# KiCad board HPPSI02.kicad_pcb (continued)
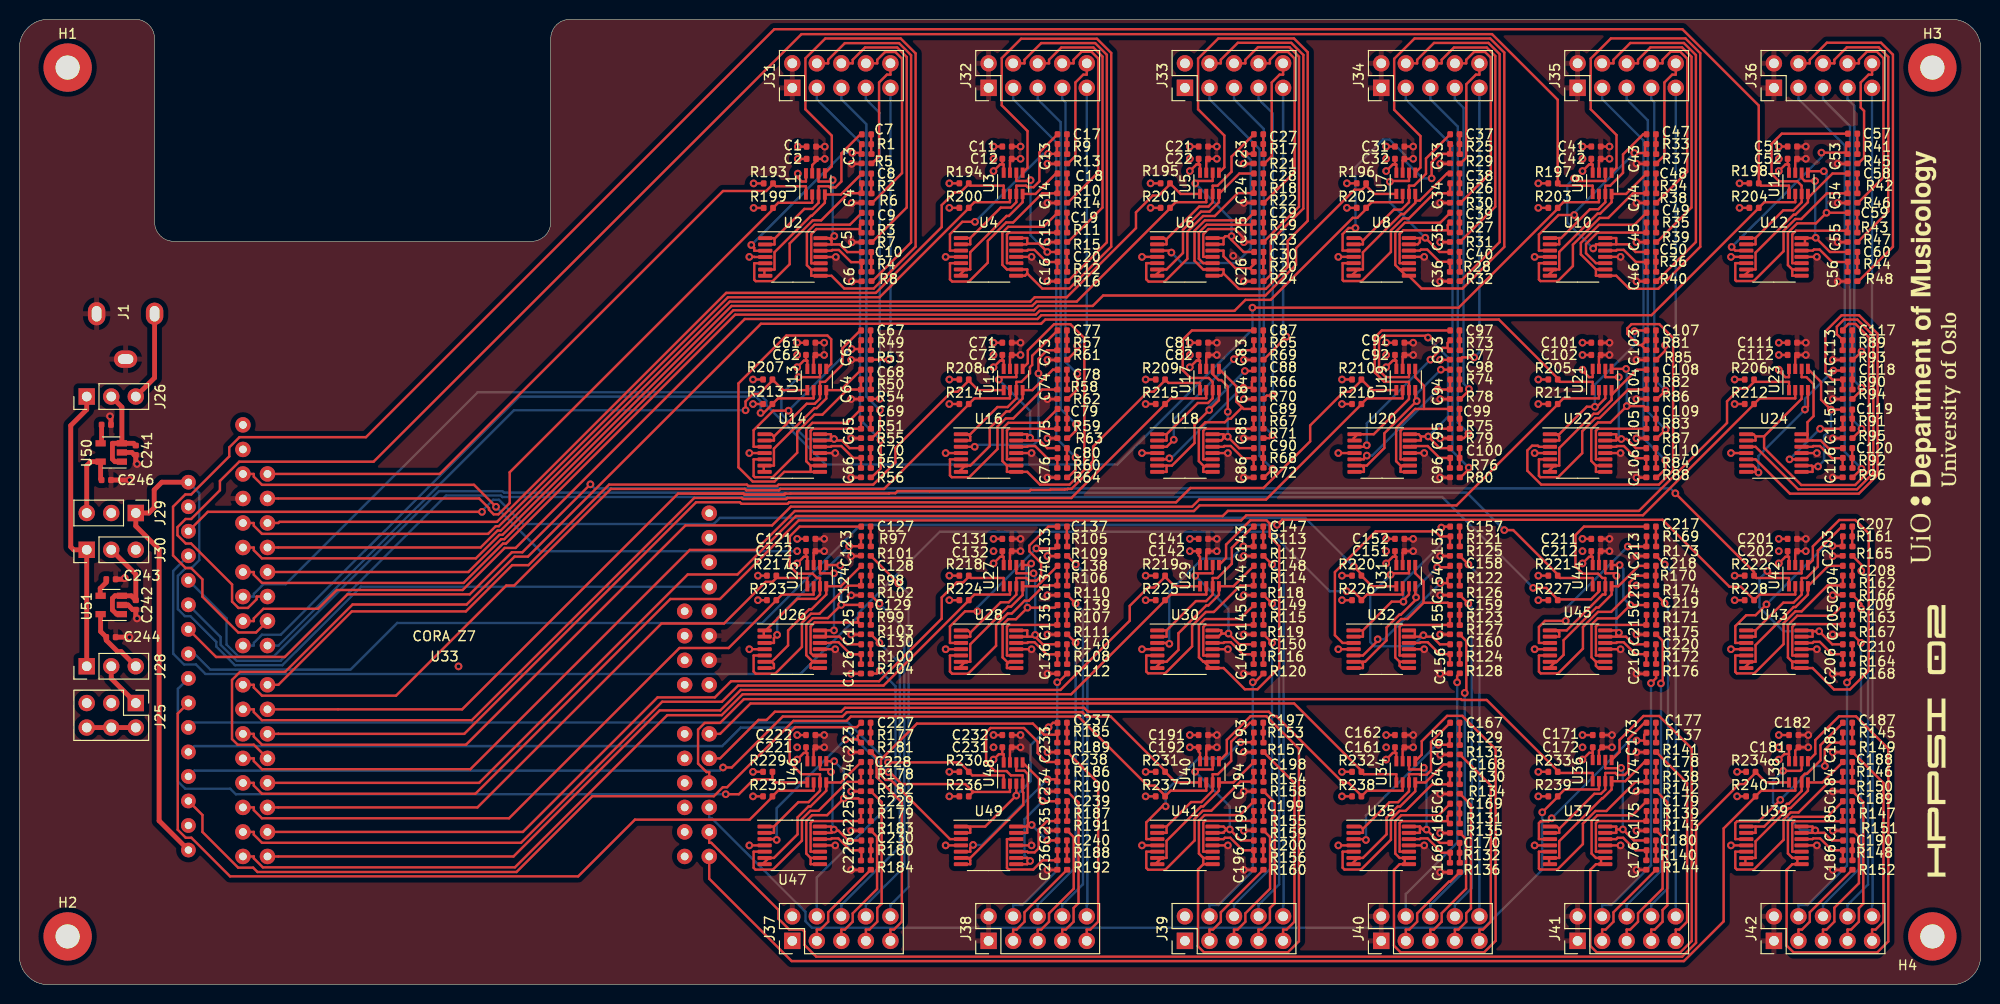
[diagram p0: board, top side]
## Routing (per net, layer and track width the routed paths; a pad name or vN(x,y) marks a point on that pad's centre or on a via; arc(x,y) is an arc through that point) (continued)
Net-(C50-Pad2): length 2.1
  Top w0.25: R40.2 169.38,73.87 169.38,75.9
Net-(C53-Pad1): length 18.9
  Top w0.25: 189.07,86.19 C53.1 ; 189.07,86.19 189.07,86.86 R41.2 ; 189.07,86.19 v1(186.52,86.19) ; v1(177.22,76.42) 177.6,76.04 178.65,76.04
  Bottom w0.25: v1(177.22,76.42) 186.52,85.71 v1(186.52,86.19)
Net-(C54-Pad1): length 20.5
  Top w0.25: 178.65,74.74 177.6,74.74 177.6,72.99 177.7,72.89 179.51,72.89 182.6,75.97 182.6,78.09 183.82,79.31 184.43,79.31 187.08,81.97 C54.1 189.22,82.99 R42.2
Net-(C55-Pad1): length 10.9
  Top w0.25: 189.03,78.1 189.24,78.31 R43.2 ; 189.03,78.1 183.88,78.1 183.5,77.72 183.5,74.74 184.55,74.74 ; 189.03,78.1 C55.1
Net-(C56-Pad1): length 6.3
  Top w0.25: 189.22,74.86 187.62,74.86 186.33,76.15 185.74,76.15 185.63,76.04 184.55,76.04 ; 189.22,74.86 R44.2 ; 189.22,74.86 C56.1
Net-(C57-Pad1): length 25.8
  Top w0.25: 179.7,77.34 182.57,80.21 183.63,80.21 184.47,81.05 U11.3 184.47,82.77 184.02,83.22 182.14,83.22 181.36,84 181.36,87.1 182.41,88.15 C57.1 ; 179.7,77.34 179.7,76.69 178.65,76.69 ; 179.7,77.34 178.65,77.34
Net-(C57-Pad2): length 2.1
  Top w0.25: C57.2 R41.1 190.23,86.04 R45.2
Net-(C58-Pad1): length 17.3
  Top w0.25: 179.18,74.09 178.65,73.56 178.65,73.44 ; 179.18,74.09 179.7,74.09 179.7,75.83 183.64,79.76 183.83,79.76 185.12,81.05 185.12,81.48 ; 179.18,74.09 178.65,74.09 ; 185.12,81.48 187.66,84.03 C58.1 ; 185.12,81.48 U11.4
Net-(C58-Pad2): length 2.1
  Top w0.25: R46.2 190.21,81.99 190.21,84.03
Net-(C59-Pad1): length 19.9
  Top w0.25: 183.5,74.09 183.05,74.54 183.05,77.9 184.01,78.86 185.95,78.86 v1(187.04,79.96) C59.1 ; 183.5,74.09 183.5,73.44 184.55,73.44 ; 183.5,74.09 184.55,74.09 ; U11.5 185.27,84.26 v1(186.77,84.26)
  Bottom w0.25: v1(186.77,84.26) 187.04,83.99 v1(187.04,79.96)
Net-(C59-Pad2): length 2.1
  Top w0.25: R47.2 190.21,77.93 190.21,79.96
Net-(C60-Pad1): length 14.2
  Top w0.25: U11.6 184.47,83.57 184.79,83.25 v1(185.87,83.25) ; C60.1 187.4,75.9 v1(185.93,77.37) 185.63,77.37 185.6,77.34 184.81,77.34 ; 184.81,77.34 184.81,76.69 184.55,76.69 ; 184.81,77.34 184.55,77.34
  Bottom w0.25: v1(185.93,77.37) 185.87,77.44 v1(185.87,83.25)
Net-(C60-Pad2): length 2.1
  Top w0.25: C60.2 190.24,74.91 190.21,74.88 190.21,73.87 R48.2
Net-(C63-Pad1): length 18.4
  Top w0.25: v1(86.14,65.84) 86.98,65.84 ; 86.98,65.84 86.98,66.6 R49.2 ; 86.98,65.84 C63.1 ; 77.05,55.72 76,55.72 76,57.44 78.02,59.46 v1(79.61,59.46)
  Bottom w0.25: v1(86.14,65.84) 86,65.84 v1(79.61,59.46)
Net-(C64-Pad1): length 20
  Top w0.25: R50.2 87.11,62.67 C64.1 85.72,61.65 83.12,59.05 82.3,59.05 80.51,57.27 80.51,55.11 77.97,52.57 76.12,52.57 76,52.69 76,54.42 77.05,54.42
Net-(C65-Pad1): length 10.4
  Top w0.25: R51.2 87.11,58.6 C65.1 82.11,57.59 81.9,57.38 81.9,54.42 82.95,54.42
Net-(C66-Pad1): length 5.8
  Top w0.25: C66.1 87.11,54.56 ; 87.11,54.56 86.31,54.56 85.07,55.8 84.08,55.8 84,55.72 82.95,55.72 ; 87.11,54.56 R52.2
Net-(C67-Pad1): length 18.2
  Top w0.25: 78.1,56.79 81.49,60.18 82.32,60.18 82.87,60.72 U13.3 82.87,62.45 83.39,62.45 85.19,64.24 85.19,65.91 87.04,67.77 C67.1 ; 78.1,56.79 77.87,57.02 77.05,57.02 ; 78.1,56.79 78.1,56.37 77.05,56.37
Net-(C67-Pad2): length 2.1
  Top w0.25: 88.1,67.77 88.1,65.74 R53.2
Net-(C68-Pad1): length 16.4
  Top w0.25: 77.05,53.12 77.05,53.77 78.1,53.77 78.1,55.53 82.3,59.73 82.52,59.73 83.52,60.72 U13.4 85.02,61.59 C68.1
Net-(C68-Pad2): length 2.1
  Top w0.25: R54.2 88.1,61.67 88.1,63.71
Net-(C69-Pad1): length 45.6
  Top w0.25: U13.5 84.03,64.3 84.03,66.86 83.64,67.25 79.39,67.25 74.43,62.28 74.43,53.6 75.91,52.12 78.16,52.12 79.16,53.12 81.9,53.12 ; 81.9,53.12 81.9,53.77 ; 81.9,53.12 82.95,53.12 ; C69.1 85.69,58.19 82.08,58.19 81.45,57.57 81.45,54.22 81.9,53.77 ; 81.9,53.77 82.95,53.77
Net-(C69-Pad2): length 2.1
  Top w0.25: R55.2 88.1,57.61 88.1,59.64
Net-(C70-Pad1): length 20.5
  Top w0.25: 82.95,56.37 84,56.37 ; 84,56.37 84.33,56.37 ; 84,56.37 84,57.02 82.95,57.02 ; 84.33,56.37 v1(84.33,56.53) ; 84.33,56.37 85.14,56.37 85.93,55.58 C70.1 ; U13.6 82.87,62.93 v1(80.65,62.93)
  Bottom w0.25: v1(80.65,62.93) 78.87,61.16 78.87,59.14 81.48,56.53 v1(84.33,56.53)
Net-(C70-Pad2): length 2.1
  Top w0.25: 88.1,55.58 88.1,53.55 R56.2
Net-(C73-Pad1): length 20.2
  Top w0.25: 97.37,55.72 v1(98.88,55.72) ; v1(105.48,63.32) 105.48,64.82 106.37,65.72 C73.1 107.43,66.73 107.46,66.75
  Bottom w0.25: v1(105.48,63.32) 105.48,56.43 104.97,55.92 99.08,55.92 v1(98.88,55.72)
Net-(C74-Pad1): length 20.1
  Top w0.25: 107.46,62.69 107.43,62.67 C74.1 105.87,61.65 102.87,58.66 102.09,58.66 101.24,57.8 101.24,55.49 98.32,52.57 96.51,52.57 96.32,52.76 96.32,54.42 97.37,54.42
Net-(C75-Pad1): length 10.4
  Top w0.25: 107.46,58.63 107.43,58.6 C75.1 102.38,57.59 102.22,57.43 102.22,54.42 103.27,54.42
Net-(C76-Pad1): length 5.8
  Top w0.25: 107.43,54.54 106.39,54.54 105.13,55.8 104.4,55.8 104.32,55.72 103.27,55.72 ; 107.43,54.54 107.46,54.56 ; 107.43,54.54 C76.1
Net-(C77-Pad1): length 18.3
  Top w0.25: 98.19,57.02 97.37,57.02 ; 98.19,57.02 98.42,57.02 101.24,59.83 102.29,59.83 103.19,60.73 U15.3 103.19,62.45 103.71,62.45 104.6,63.34 104.6,63.97 104.83,64.2 104.83,65.14 107.46,67.77 ; 98.19,57.02 98.42,56.79 98.42,56.37 97.37,56.37
Net-(C77-Pad2): length 2.1
  Top w0.25: R61.2 108.43,65.74 R57.1 C77.2
Net-(C78-Pad1): length 16.7
  Top w0.25: 97.37,53.77 97.9,53.77 ; 97.9,53.77 98.42,53.77 100.44,55.79 100.44,57.67 102.16,59.38 102.5,59.38 103.84,60.72 U15.4 104.85,61.59 106.97,63.71 107.46,63.71 ; 97.9,53.77 97.37,53.24 97.37,53.12
Net-(C78-Pad2): length 2.1
  Top w0.25: R62.2 108.43,61.67 R58.1 C78.2
Net-(C79-Pad1): length 44.8
  Top w0.25: 107.46,59.64 106.02,58.21 102.36,58.21 101.76,57.6 101.76,54.23 102.22,53.77 ; U15.5 103.84,63.85 104.38,64.38 104.38,65.7 107.1,68.42 108.79,68.42 110.23,66.98 110.23,53.33 108.7,51.8 105.64,51.8 104.32,53.12 102.22,53.12 102.22,53.77 ; 103.27,53.77 102.22,53.77
Net-(C79-Pad2): length 2.1
  Top w0.25: C79.2 R59.1 108.43,57.61 R63.2
Net-(C80-Pad1): length 16.7
  Top w0.25: v1(101.38,62.68) 101.64,62.93 103.19,62.93 U15.6 ; 107.46,55.58 106.39,55.58 105.6,56.37 104.32,56.37 ; v1(104.62,56.65) 104.32,56.65 ; 104.32,56.65 104.32,57.02 103.27,57.02 ; 104.32,56.65 104.32,56.37 ; 104.32,56.37 103.27,56.37
  Bottom w0.25: v1(101.38,62.68) 104.62,59.44 v1(104.62,56.65)
Net-(C80-Pad2): length 2.1
  Top w0.25: R64.2 108.43,53.55 R60.1 C80.2
Net-(C83-Pad1): length 16.5
  Top w0.25: v1(119.48,56.45) 118.76,55.72 117.69,55.72 ; v1(125.71,64.8) 126.63,65.72 C83.1 127.78,65.74 127.78,66.75
  Bottom w0.25: v1(125.71,64.8) 119.48,58.57 v1(119.48,56.45)
Net-(C84-Pad1): length 14.1
  Top w0.25: v1(119.03,54.53) 118.92,54.42 117.69,54.42 ; 127.57,61.83 C84.1 ; 127.57,61.83 v1(126.69,61.83) ; 127.57,61.83 127.57,62.49 127.78,62.69
  Bottom w0.25: v1(126.69,61.83) 126.51,61.83 119.21,54.53 v1(119.03,54.53)
Net-(C85-Pad1): length 10.4
  Top w0.25: 123.59,54.42 122.54,54.42 122.54,57.38 122.74,57.59 C85.1 127.75,58.6 127.78,58.63
Net-(C86-Pad1): length 5.8
  Top w0.25: 127.75,54.54 126.65,54.54 125.39,55.8 124.72,55.8 124.64,55.72 123.59,55.72 ; 127.75,54.54 127.78,54.56 ; 127.75,54.54 C86.1
Net-(C87-Pad1): length 25.3
  Top w0.25: 117.69,56.37 118.74,56.37 118.74,57.02 ; 127.78,67.77 121.36,67.77 120.41,66.82 120.41,63.66 121.22,62.85 123.11,62.85 123.51,62.45 U17.3 123.51,60.73 123.03,60.25 121.97,60.25 118.74,57.02 ; 117.69,57.02 118.74,57.02
Net-(C87-Pad2): length 2.1
  Top w0.25: R69.2 128.75,65.74 R65.1 C87.2
Net-(C88-Pad1): length 19.7
  Top w0.25: 118.74,53.77 118.74,53.12 117.69,53.12 ; 118.74,53.77 119.29,53.77 121.63,56.11 121.63,58.01 v1(123.15,59.53) 124.16,60.54 U17.4 ; 118.74,53.77 117.69,53.77 ; v1(126.84,63.57) 127.64,63.57 127.78,63.71
  Bottom w0.25: v1(126.84,63.57) 123.15,59.88 v1(123.15,59.53)
Net-(C88-Pad2): length 2.1
  Top w0.25: R70.2 128.77,62.67 R66.1 C88.2
Net-(C89-Pad1): length 18.4
  Top w0.25: 123.59,53.12 122.54,53.12 122.54,53.54 122.66,53.65 ; 122.66,53.65 122.77,53.77 123.59,53.77 ; 122.66,53.65 122.08,54.23 122.08,57.58 122.76,58.26 124.77,58.26 125.13,58.62 125.37,58.62 126.56,59.8 ; 127.78,59.64 126.72,59.64 126.56,59.8 ; 126.56,59.8 125.96,60.4 125.96,61.99 U17.5
Net-(C89-Pad2): length 2.1
  Top w0.25: C89.2 R67.1 128.75,57.61 R71.2
Net-(C90-Pad1): length 14.1
  Top w0.25: 123.59,56.37 124.41,56.37 124.64,56.6 124.64,56.76 ; 124.64,56.76 v1(125.07,56.76) 126.25,55.58 127.78,55.58 ; 124.64,56.76 124.64,57.02 123.59,57.02 ; v1(125.07,59.34) 125.07,61.96 124.41,62.63 124.13,62.63 123.51,63.25 U17.6
  Bottom w0.25: v1(125.07,59.34) 125.07,59.34 v1(125.07,56.76)
Net-(C90-Pad2): length 2
  Top w0.25: C90.2 R68.1 128.75,53.57 R72.2
Net-(C93-Pad1): length 16.5
  Top w0.25: 147.82,65.96 147.82,66.48 R73.2 ; 147.82,65.96 147.27,65.96 v1(146.05,64.75) ; 147.82,65.96 C93.1 ; v1(139.46,55.88) 139.3,55.72 138.11,55.72
  Bottom w0.25: v1(146.05,64.75) 139.46,58.16 v1(139.46,55.88)
Net-(C94-Pad1): length 14.1
  Top w0.25: 138.11,54.42 139.16,54.42 139.16,54.5 v1(139.47,54.81) ; v1(146.8,61.67) 146.82,61.65 C94.1 148.07,62.67 R74.2
  Bottom w0.25: v1(139.47,54.81) 140.01,54.81 146.8,61.59 v1(146.8,61.67)
Net-(C95-Pad1): length 10.3
  Top w0.25: R75.2 148.07,58.6 C95.1 143.16,57.59 142.96,57.38 142.96,54.42 144.01,54.42
Net-(C96-Pad1): length 5.7
  Top w0.25: 144.01,55.72 144.08,55.8 145.77,55.8 147,54.56 148.07,54.56 ; 148.07,54.56 R76.2 ; 148.07,54.56 C96.1
Net-(C97-Pad1): length 25.5
  Top w0.25: 138.52,57.02 138.11,56.61 138.11,56.37 ; 138.52,57.02 138.11,57.02 ; 138.52,57.02 140.18,57.02 143.83,60.67 U19.3 143.83,62.45 141.26,62.45 140.28,63.43 140.28,67.04 141.01,67.77 C97.1
Net-(C97-Pad2): length 2.1
  Top w0.25: 149.06,67.77 149.06,65.74 R77.2
Net-(C98-Pad1): length 18.4
  Top w0.25: 138.11,53.77 138.93,53.77 ; 138.93,53.77 139.16,53.54 139.16,53.12 138.11,53.12 ; 138.93,53.77 139.46,53.77 141.28,55.59 141.28,57.11 v1(144.63,60.46) 144.48,60.61 U19.4 ; C98.1 v1(147.13,63.71)
  Bottom w0.25: v1(147.13,63.71) 144.63,61.2 v1(144.63,60.46)
Net-(C98-Pad2): length 2.1
  Top w0.25: 149.06,63.71 149.06,61.67 R78.2
Net-(C99-Pad1): length 17.9
  Top w0.25: 144.01,53.77 143.19,53.77 ; 143.19,53.77 142.96,53.54 142.96,53.12 144.01,53.12 ; 143.19,53.77 142.96,53.77 142.5,54.23 142.5,57.67 144.48,59.64 145.38,59.64 ; U19.5 144.48,62.93 145.38,62.04 145.38,59.64 ; 145.38,59.64 C99.1
Net-(C99-Pad2): length 2.1
  Top w0.25: R79.2 149.06,57.61 149.06,59.64
Net-(C100-Pad1): length 30.9
  Top w0.25: 145.06,56.79 144.83,57.02 144.01,57.02 ; 145.06,56.79 v1(145.81,56.79) 147.02,55.58 C100.1 ; 145.06,56.79 145.06,56.37 144.01,56.37 ; U19.6 143.83,62.93 141.43,62.93 140.73,63.64 140.73,66.85 141.1,67.23 145.61,67.23 v1(145.8,67.03)
  Bottom w0.25: v1(145.8,67.03) 147.88,64.96 147.88,58.85 v1(145.81,56.79)
Net-(C100-Pad2): length 2.1
  Top w0.25: 149.06,55.58 149.06,53.55 R80.2
Net-(C103-Pad1): length 44.1
  Top w0.25: 167.93,66.26 167.93,66.2 C103.1 ; 167.93,66.26 167.57,66.26 166.43,67.41 166.43,67.99 166.86,68.42 169.74,68.42 171.17,66.99 171.17,53.27 169.7,51.8 157.52,51.8 156.08,53.24 156.08,55.34 156.57,55.83 157.17,55.83 157.28,55.72 158.33,55.72 ; 167.93,66.26 R81.2
Net-(C104-Pad1): length 20.1
  Top w0.25: 158.33,54.42 157.28,54.42 157.28,52.72 157.43,52.57 159.27,52.57 161.76,55.06 161.76,57.33 163.12,58.69 163.56,58.69 166.52,61.65 C104.1 168.39,62.67 R82.2
Net-(C105-Pad1): length 10.4
  Top w0.25: R83.2 168.39,58.6 C105.1 163.38,57.59 163.18,57.38 163.18,54.42 164.23,54.42
Net-(C106-Pad1): length 5.8
  Top w0.25: 168.39,54.54 C106.1 ; 168.39,54.54 R84.2 ; 168.39,54.54 167.33,54.54 166.07,55.8 165.36,55.8 165.28,55.72 164.23,55.72
Net-(C107-Pad1): length 20.8
  Top w0.25: U21.3 164.15,60.73 163.28,59.87 v1(163.07,59.87) 162.23,59.87 159.38,57.02 159.15,57.02 ; 159.15,57.02 158.33,57.02 ; 159.15,57.02 159.38,56.79 159.38,56.37 158.33,56.37 ; C107.1 167.23,67.77 v1(167.16,67.7)
  Bottom w0.25: v1(163.07,59.87) 163.07,62.16 167.16,66.25 v1(167.16,67.7)
Net-(C107-Pad2): length 2.1
  Top w0.25: R85.2 169.38,65.74 169.38,67.77
Net-(C108-Pad1): length 16.9
  Top w0.25: 158.33,53.77 158.86,53.77 ; 158.86,53.77 158.33,53.24 158.33,53.12 ; 158.86,53.77 159.38,53.77 159.38,55.59 162.94,59.14 163.37,59.14 164.8,60.57 164.8,61.11 ; U21.4 164.8,61.11 ; 164.8,61.11 167.4,63.71 C108.1
Net-(C108-Pad2): length 2.1
  Top w0.25: R86.2 169.38,61.67 169.38,63.71
Net-(C109-Pad1): length 18.9
  Top w0.25: 164.23,53.77 163.18,53.77 ; 163.18,53.77 162.69,54.26 162.69,57.54 163.39,58.24 164.68,58.24 v1(166.37,59.93) 168.12,59.93 C109.1 ; 163.18,53.77 163.18,53.12 164.23,53.12 ; U21.5 v1(166.3,63.79)
  Bottom w0.25: v1(166.3,63.79) 166.37,63.72 v1(166.37,59.93)
Net-(C109-Pad2): length 2.1
  Top w0.25: 169.38,59.64 169.38,57.61 R87.2
Net-(C110-Pad1): length 15
  Top w0.25: v1(165.55,62.93) 164.15,62.93 U21.6 ; 164.23,57.02 165.28,57.02 165.28,56.68 165.44,56.53 ; 164.23,56.37 165.28,56.37 165.44,56.53 ; 165.44,56.53 v1(165.8,56.53) 166.37,56.53 167.31,55.58 C110.1
  Bottom w0.25: v1(165.55,62.93) 165.55,56.78 v1(165.8,56.53)
Net-(C110-Pad2): length 2.1
  Top w0.25: R88.2 169.38,53.55 169.38,55.56 C110.2
Net-(C113-Pad1): length 37.5
  Top w0.25: 178.65,55.72 179.7,55.72 184.11,51.31 190.2,51.31 191.89,53 191.89,67.24 190.23,68.89 188.84,68.89 188.11,68.16 188.11,67.38 188.74,66.75 188.71,66.73 C113.1
Net-(C114-Pad1): length 44.9
  Top w0.25: C114.1 188.71,62.67 ; 188.71,62.67 187.67,62.67 186.93,63.4 186.93,67.67 188.6,69.34 190.42,69.34 192.34,67.42 192.34,52.82 190.39,50.86 183.26,50.86 179.7,54.42 178.65,54.42 ; 188.71,62.67 188.74,62.69
Net-(C115-Pad1): length 9.2
  Top w0.25: 184.55,54.42 v1(183.22,54.42) ; 188.74,58.63 188.71,58.6 C115.1 v1(186.38,57.59)
  Bottom w0.25: v1(183.22,54.42) v1(186.38,57.59)
Net-(C116-Pad1): length 5.8
  Top w0.25: 184.55,55.72 185.6,55.72 185.68,55.8 186.36,55.8 187.62,54.54 188.71,54.54 ; 188.71,54.54 C116.1 ; 188.71,54.54 188.74,54.56
Net-(C117-Pad1): length 41.6
  Top w0.25: 188.74,67.77 188.74,67.87 189.31,68.44 190.04,68.44 191.44,67.05 191.44,53.19 190.01,51.76 184.43,51.76 180.58,55.6 180.58,56.8 ; 179.7,56.8 179.7,56.37 178.65,56.37 ; 179.7,56.8 180.58,56.8 ; 179.7,56.8 179.48,57.02 178.65,57.02 ; 180.58,56.8 184.47,60.69 U23.3
Net-(C117-Pad2): length 2.1
  Top w0.25: C117.2 R89.1 189.71,65.74 R93.2
Net-(C118-Pad1): length 19.9
  Top w0.25: 188.74,63.71 188.65,63.62 v1(187.74,63.62) ; 178.65,53.77 179.47,53.77 179.7,53.54 179.7,53.12 ; 179.7,53.12 179.93,53.12 v1(180,53.05) ; 179.7,53.12 178.65,53.12 ; U23.4 185.12,59.88 v1(184.81,59.58)
  Bottom w0.25: v1(180,53.05) 180,54.76 v1(184.81,59.58) 184.81,60.69 v1(187.74,63.62)
Net-(C118-Pad2): length 2.1
  Top w0.25: C118.2 R90.1 189.71,61.67 R94.2
Net-(C119-Pad1): length 16.1
  Top w0.25: 184.55,53.12 185.6,53.12 185.6,53.68 ; 184.55,53.77 185.51,53.77 185.6,53.68 ; 185.6,53.68 v1(186.17,53.68) ; 188.74,59.57 v1(187.51,59.57) 186.48,60.59 186.48,62.43 U23.5
  Bottom w0.25: v1(187.51,59.57) 187.51,57.56 186.79,56.84 186.79,54.31 v1(186.17,53.68)
Net-(C119-Pad2): length 2
  Top w0.25: R95.2 189.71,57.61 R91.1 C119.2
Net-(C120-Pad1): length 13.5
  Top w0.25: 185.08,56.37 186.45,56.37 187.24,55.58 188.74,55.58 ; 185.08,56.37 184.55,56.37 ; 185.08,56.37 185.08,57.02 ; 185.08,57.02 185.08,58.27 185.7,58.89 185.7,62.2 184.97,62.93 184.47,62.93 U23.6 ; 185.08,57.02 184.55,57.02
Net-(C120-Pad2): length 2.1
  Top w0.25: R96.2 189.71,53.55 R92.1 C120.2
Net-(C123-Pad1): length 16.5
  Top w0.25: 87.11,45.42 C123.1 ; 87.11,45.42 v1(85.89,45.42) ; 87.11,45.42 87.11,46.41 R97.2 ; v1(78.43,36.24) 78.1,35.91 78.1,35.4 77.05,35.4
  Bottom w0.25: v1(78.43,36.24) 78.43,37.97 v1(85.89,45.42)
Net-(C124-Pad1): length 20.2
  Top w0.25: 77.05,34.1 76,34.1 76,32.43 76.22,32.21 78.22,32.21 81,34.99 81,37.48 81.94,38.42 82.81,38.42 85.72,41.33 C124.1 87.13,41.35 R98.2
Net-(C125-Pad1): length 10.3
  Top w0.25: R99.2 86.8,37.97 86.8,37.58 ; 86.8,37.58 86.75,37.52 82.31,37.52 81.9,37.11 81.9,34.36 82.16,34.1 82.95,34.1 ; 86.8,37.58 C125.1
Net-(C126-Pad1): length 5.8
  Top w0.25: 82.95,35.4 84,35.4 84.08,35.48 84.78,35.48 86.04,34.22 87.11,34.22 ; R100.2 87.11,34.22 ; 87.11,34.22 C126.1
Net-(C127-Pad1): length 24.3
  Top w0.25: 77.05,36.05 77.05,36.6 77.15,36.7 ; 77.15,36.7 77.26,36.7 80.52,39.96 82.42,39.96 82.87,40.41 U25.3 82.87,42.13 82.57,42.13 82.12,42.58 80.53,42.58 79.74,43.36 79.74,46.44 80.75,47.45 C127.1 ; 77.15,36.7 77.05,36.7
Net-(C127-Pad2): length 2.1
  Top w0.25: 88.1,47.45 88.1,45.42 R101.2
Net-(C128-Pad1): length 17.4
  Top w0.25: 77.05,32.8 78.1,32.8 78.1,33.22 77.87,33.45 ; 77.05,33.45 77.87,33.45 ; C128.1 85.02,41.27 U25.4 83.52,40.41 81.98,38.87 81.75,38.87 79.57,36.69 79.57,35.15 77.87,33.45
Net-(C128-Pad2): length 2.1
  Top w0.25: R102.2 88.1,41.35 88.1,43.39
Net-(C129-Pad1): length 18.9
  Top w0.25: v1(84.96,43.44) 84.92,43.47 U25.5 ; 82.13,33.45 82.95,33.45 ; 82.13,33.45 81.9,33.22 81.9,32.8 82.95,32.8 ; 82.13,33.45 81.45,34.13 81.45,37.3 82.13,37.97 83.69,37.97 v1(85.06,39.34) 87.12,39.34 C129.1
  Bottom w0.25: v1(85.06,39.34) 85.06,43.33 v1(84.96,43.44)
Net-(C129-Pad2): length 2.1
  Top w0.25: R103.2 88.1,37.29 88.1,39.32
Net-(C130-Pad1): length 14.8
  Top w0.25: 83.48,36.7 v1(84.32,36.7) ; 83.48,36.7 82.95,36.7 ; 83.48,36.7 83.48,36.05 ; 83.48,36.05 84.88,36.05 85.67,35.26 C130.1 ; 83.48,36.05 82.95,36.05 ; v1(84.32,42.61) 82.87,42.61 U25.6
  Bottom w0.25: v1(84.32,42.61) 84.32,36.7 v1(84.32,36.7)
Net-(C130-Pad2): length 2.1
  Top w0.25: 88.1,35.26 88.1,33.23 R104.2
Net-(C133-Pad1): length 18.6
  Top w0.25: v1(105.26,45.19) 107.23,45.19 C133.1 107.43,46.41 107.46,46.43 ; 97.37,35.4 96.32,35.4 96.32,37.11 97.88,38.68 v1(99.16,38.68)
  Bottom w0.25: v1(105.26,45.19) 99.16,39.08 v1(99.16,38.68)
Net-(C134-Pad1): length 20
  Top w0.25: 97.37,34.1 96.32,34.1 96.32,32.44 96.55,32.21 98.2,32.21 101.09,35.11 101.09,37.24 102.3,38.45 102.72,38.45 104.05,39.78 104.49,39.78 106.06,41.35 C134.1 107.43,42.35 107.46,42.37
Net-(C135-Pad1): length 10.4
  Top w0.25: 103.27,34.1 102.22,34.1 102.22,37.09 102.4,37.27 C135.1 R107.2
Net-(C136-Pad1): length 5.8
  Top w0.25: 107.43,34.22 C136.1 ; 107.43,34.22 106.33,34.22 105.07,35.48 104.4,35.48 104.32,35.4 103.27,35.4 ; 107.43,34.22 107.46,34.24
Net-(C137-Pad1): length 21
  Top w0.25: 98.42,36.46 101.57,39.61 102.4,39.61 103.19,40.4 U27.3 103.19,42.13 104.23,42.13 104.51,41.85 105.26,41.85 105.75,42.34 105.75,43.67 104.54,44.89 104.54,45.49 106.5,47.45 107.46,47.45 ; 98.42,36.46 98.42,36.05 97.37,36.05 ; 98.42,36.46 98.18,36.7 97.9,36.7 97.37,36.7
Net-(C137-Pad2): length 2.1
  Top w0.25: C137.2 R105.1 108.43,45.42 R109.2
Net-(C138-Pad1): length 16.7
  Top w0.25: 107.46,43.39 105.34,41.27 U27.4 103.84,40.36 102.64,39.16 102.33,39.16 98.42,35.26 98.42,33.45 97.9,33.45 ; 97.9,33.45 97.37,32.92 97.37,32.8 ; 97.9,33.45 97.37,33.45
Net-(C138-Pad2): length 2.1
  Top w0.25: C138.2 R106.1 108.43,41.35 R110.2
Net-(C139-Pad1): length 19.1
  Top w0.25: 102.34,33.33 102.45,33.45 103.27,33.45 ; 102.34,33.33 101.77,33.9 101.77,37.28 102.35,37.86 103.15,37.86 v1(104.35,39.05) 107.19,39.05 107.46,39.32 ; 102.34,33.33 102.22,33.22 102.22,32.8 103.27,32.8 ; v1(104.73,43.63) 104.57,43.47 U27.5
  Bottom w0.25: v1(104.73,43.63) 104.25,43.14 104.25,39.15 v1(104.35,39.05)
Net-(C139-Pad2): length 2.1
  Top w0.25: R111.2 108.4,37.31 R107.1 108.43,38.33 C139.2
Net-(C140-Pad1): length 15.5
  Top w0.25: 104.32,36.05 104.32,36.7 103.27,36.7 ; 104.32,36.05 103.27,36.05 ; 104.32,36.05 105.14,36.05 ; 105.14,36.05 v1(105.14,36.23) ; 105.14,36.05 105.93,35.26 107.46,35.26 ; v1(104.97,42.61) 103.19,42.61 U27.6
  Bottom w0.25: v1(105.14,36.23) 105.14,42.45 v1(104.97,42.61)
Net-(C140-Pad2): length 2.1
  Top w0.25: R112.2 108.43,33.23 R108.1 C140.2
Net-(C143-Pad1): length 18.5
  Top w0.25: 117.69,35.4 118.94,35.4 v1(119.02,35.31) ; v1(126.68,45.41) 127.74,45.41 ; 127.74,45.41 127.74,46.4 127.78,46.43 ; 127.74,45.41 C143.1
  Bottom w0.25: v1(126.68,45.41) 125.4,44.13 122.44,44.13 119.02,40.72 v1(119.02,35.31)
Net-(C144-Pad1): length 20
  Top w0.25: 117.69,34.1 116.64,34.1 116.64,32.44 116.83,32.25 118.59,32.25 121.38,35.04 121.38,37.18 122.81,38.61 123.63,38.61 126.36,41.33 C144.1 R114.2
Net-(C145-Pad1): length 10.4
  Top w0.25: 123.59,34.1 122.54,34.1 122.54,37.06 122.74,37.27 C145.1 127.75,38.28 127.78,38.31
Net-(C146-Pad1): length 5.8
  Top w0.25: 127.78,34.24 127.75,34.22 ; 127.75,34.22 126.65,34.22 125.4,35.48 124.72,35.48 124.64,35.4 123.59,35.4 ; 127.75,34.22 C146.1
Net-(C147-Pad1): length 18.2
  Top w0.25: 117.69,36.7 118.74,36.7 ; 118.74,36.7 118.74,36.05 117.69,36.05 ; 118.74,36.7 121.77,39.73 122.83,39.73 123.51,40.41 U29.3 123.51,42.13 124.02,42.13 125.49,43.6 125.49,45.26 127.68,47.45 127.78,47.45
Net-(C147-Pad2): length 2.1
  Top w0.25: C147.2 R113.1 128.75,45.42 R117.2
Net-(C148-Pad1): length 16.6
  Top w0.25: 118.22,33.45 117.69,32.92 117.69,32.8 ; 118.22,33.45 117.69,33.45 ; 118.22,33.45 118.74,33.45 119.97,34.68 119.97,36.4 122.85,39.28 123.06,39.28 124.16,40.38 U29.4 125.66,41.27 127.78,43.39
Net-(C148-Pad2): length 2.1
  Top w0.25: C148.2 128.75,42.39 R114.1 128.72,41.38 R118.2
Net-(C149-Pad1): length 44.9
  Top w0.25: 127.78,39.32 126.33,37.87 122.71,37.87 122.09,37.25 122.09,33.91 122.55,33.45 122.65,33.45 ; U29.5 124.9,44.21 124.9,45.58 127.41,48.1 129.09,48.1 129.41,47.77 129.41,46.42 130.4,45.43 130.4,32.85 128.15,30.6 126.84,30.6 124.64,32.8 123.28,32.8 122.65,33.42 122.65,33.45 ; 122.65,33.45 123.59,33.45